# Allegro board DuoModule 01 Evaluation Board V1.1.brd (continued)
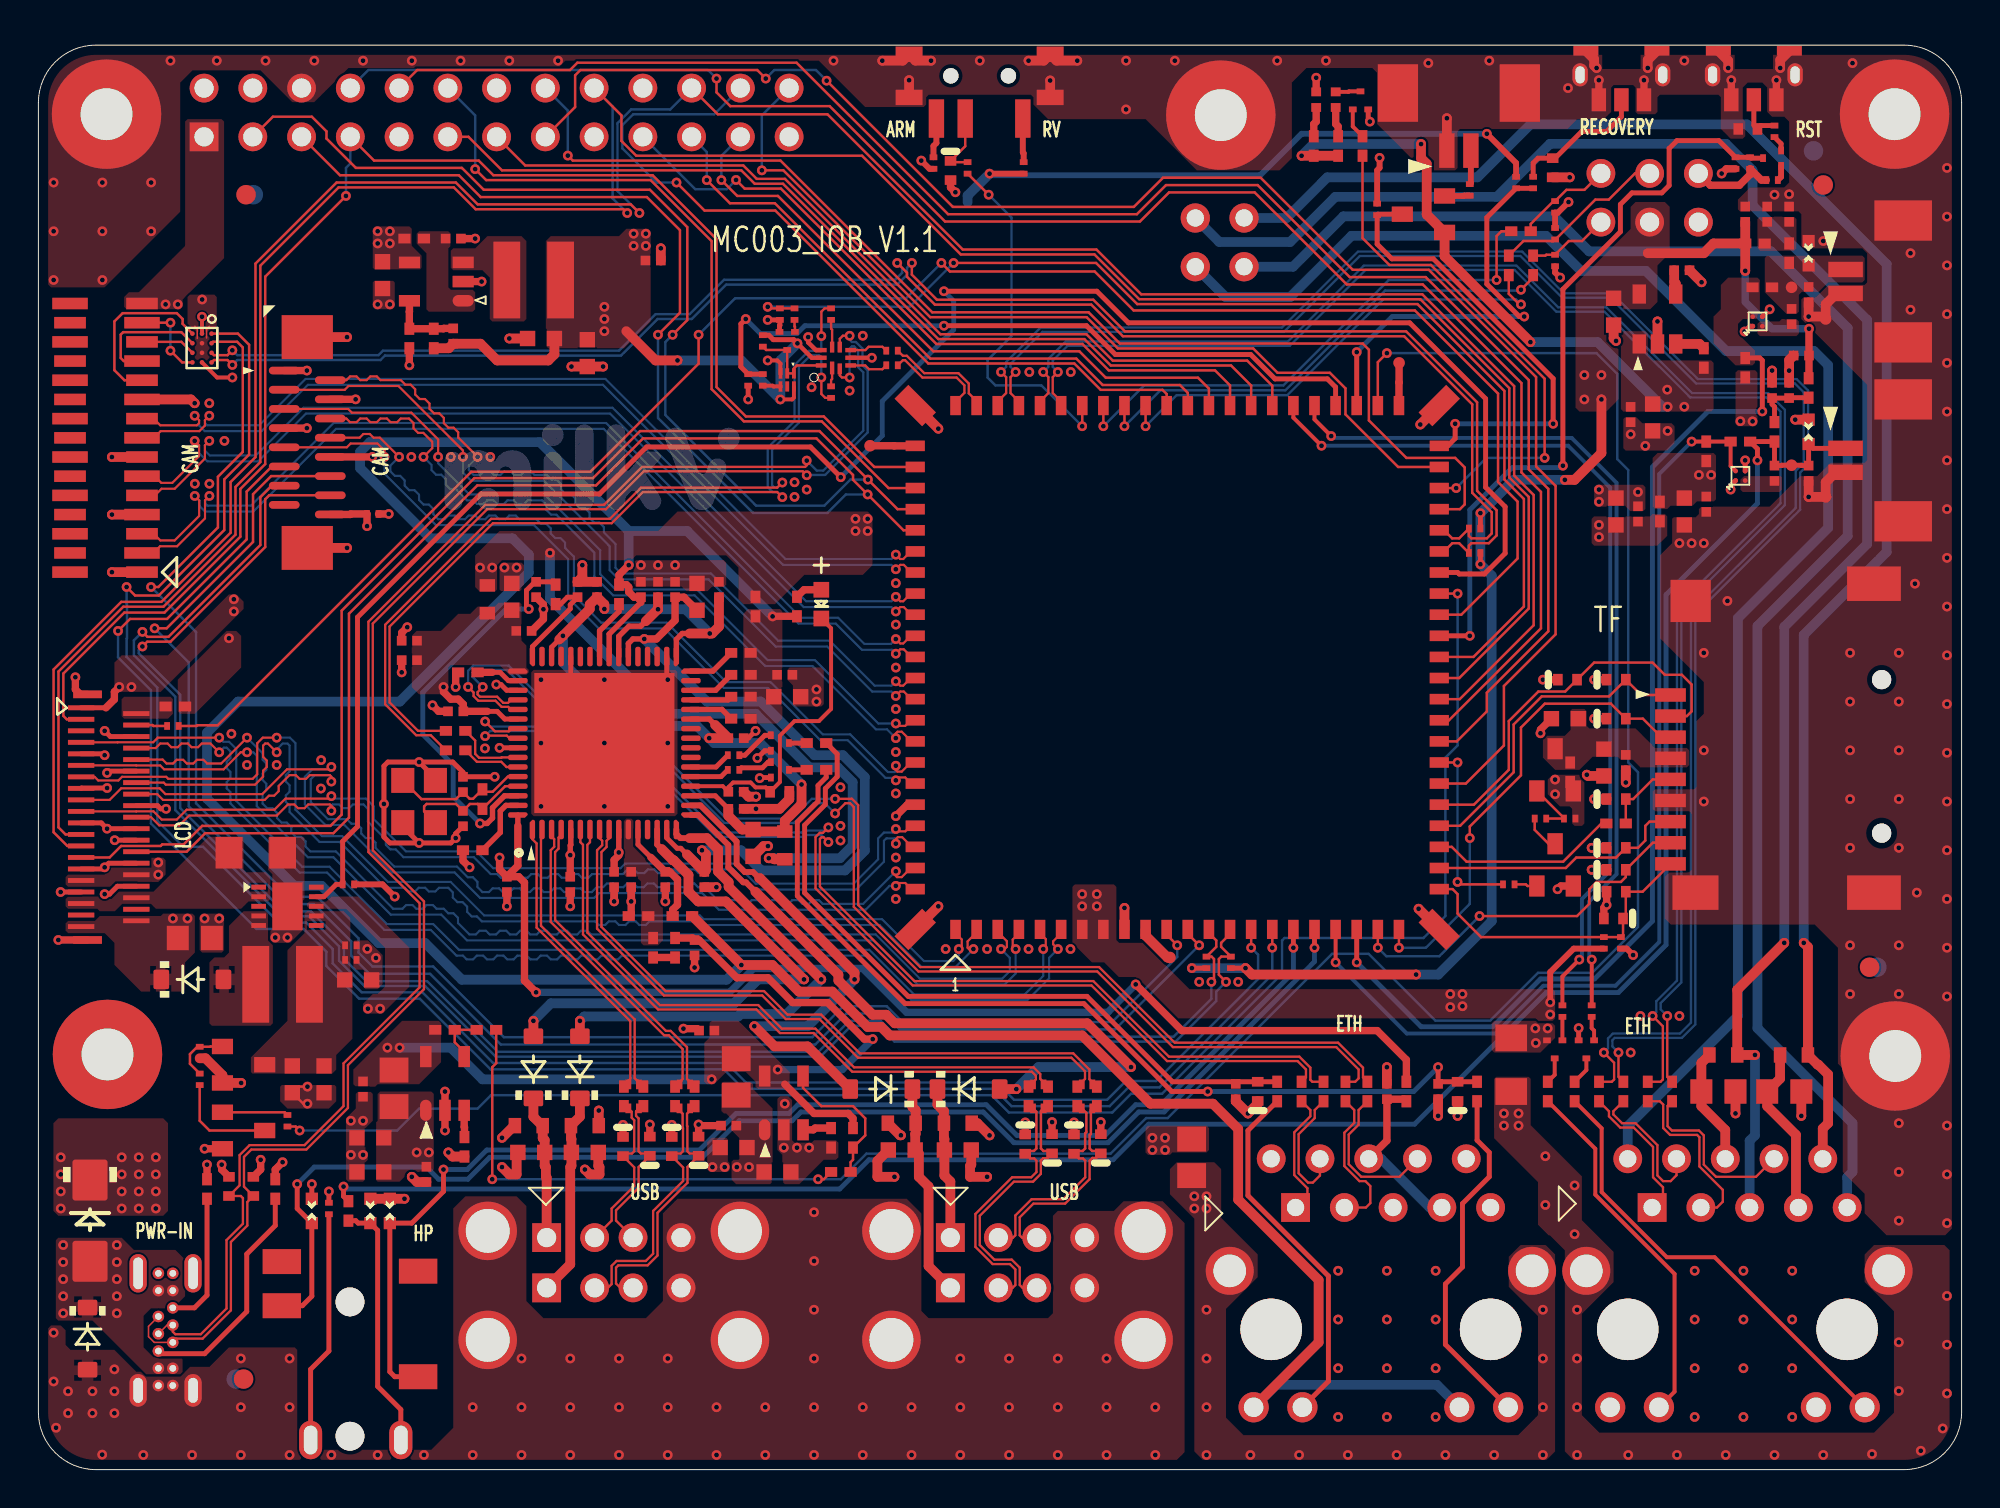
[diagram p0: board, top side]
## Routing (per net, layer and track width the routed paths; a pad name or vN(x,y) marks a point on that pad's centre or on a via; arc(x,y) is an arc through that point) (continued)
PHY_TXN: length 6.6
  TOP w0.119: JP1.2 66.77,15.33 66.4,14.96 66.14,14.96 65.66,15.45 65.66,17.48 66.49,18.32 66.49,18.74 R121.1
PHY_TXP: length 6.6
  TOP w0.119: JP1.1 66.11,14.28 66.11,14.66 65.43,15.35 65.43,17.58 66.27,18.41 66.27,18.74 R120.1
POWER2: length 7.6
  TOP w0.508: J4.1 26.48,15.22 26.44,15.26 26.44,15.77 26.38,15.83 C37.1 26.38,17.18 26.27,17.28 R46.2 26.25,17.93 25.79,18.39 D3.2
POWER3: length 10.6
  TOP w0.508: J4.5 27.71,10.7 27.71,15.77 27.77,15.83 C38.1 27.77,17.23 27.75,17.25 R47.2 28.21,18.39 D4.2
POWER4: length 8
  TOP w0.508: D5.2 46.84,19.03 47.18,18.69 R44.2 47.18,17.25 47.2,17.23 C36.1 47.2,15.32 47.51,15.02 J3.1
POWER5: length 11.2
  TOP w0.508: J3.5 46.38,10.6 46.38,14.75 45.87,15.26 45.87,16.47 C39.1 45.68,17.48 45.7,17.51 R45.2 45.7,18.73 45.53,18.9 D6.2
PRTCTL2: length 27.6
  TOP w0.305: U1.14 32.24,32.58 32.47,32.34
  TOP w0.508: v1(39.88,25.55) 35.82,29.61 34.38,29.61 33.87,30.12 33.87,30.99 33.1,31.76 33.06,31.76 32.47,32.34 ; D3.1 v1(25.79,23.39)
  BOTTOM w0.508: v1(39.88,25.55) 37.49,25.55 36.24,24.3 26.7,24.3 v1(25.79,23.39)
PRTCTL3: length 26
  TOP w0.305: 33.93,32.91 33.45,32.91 33.24,33.12 U1.16
  TOP w0.508: D4.1 v1(28.21,23.39) ; 33.93,32.91 34.83,32.91 35.41,32.33 35.41,31.17 35.96,30.62 35.96,30.37 v1(40.79,25.55)
  BOTTOM w0.508: v1(40.79,25.55) 38.98,23.74 36.58,23.74 36.46,23.62 28.44,23.62 v1(28.21,23.39)
PRTCTL4: length 36.5
  TOP w0.305: 37.35,30.12 36.86,30.6 36.72,30.6 35.94,31.39 35.94,32.55 34.38,34.12 U1.17
  TOP w0.508: 37.35,30.12 41.68,25.79 41.68,25.49 43.46,23.7 44.17,23.7 44.61,23.26 54.64,23.26 v1(56.92,20.98) ; D5.1 v1(50.95,19.83)
  BOTTOM w0.508: v1(56.92,20.98) 52.1,20.98 v1(50.95,19.83)
PRTCTL5: length 25.8
  TOP w0.305: 37.55,30.82 37.22,31.14 36.8,31.14 36.38,31.57 36.38,32.73 34.49,34.62 U1.18
  TOP w0.508: 37.55,30.82 37.6,30.82 42.52,25.89 v1(42.52,25.55) ; v1(37.3,23.11) 38.35,22.06 40.07,22.06 D6.1
  BOTTOM w0.508: v1(42.52,25.55) 40.08,23.11 v1(37.3,23.11)
PWM0_BUCK: length 2.2
  TOP w0.381: J6.45 70.88,56.65 70.89,56.66 TP27.1
PWR_VBAT_DET: length 39.1
  TOP w0.254: v1(79.42,52.32) 79.42,61.51 82.42,64.51 82.42,65.94 83.02,66.54 84.57,66.54 84.96,66.92 84.96,68.85 85.36,69.26 87.55,69.26 R4.2 R2.1 89.22,68.35 Q1.3 ; J6.35 v1(74.57,43.45)
  BOTTOM w0.254: v1(79.42,52.32) 79.32,52.22 76.77,52.22 74.57,50.01 v1(74.57,43.45)
RXN: length 9.3
  TOP w0.119: JP2.6 89.48,15.26 87.4,15.26 86.76,15.89 86.76,17.42 86.51,17.67 85.1,17.67 84.87,17.9 84.87,18.96 R105.1
RXN_18047105: length 64.2
  TOP w0.119: v1(41.51,34.96) 42.38,34.96 42.71,34.63 42.71,29.42 45.94,26.19 55.26,26.19 59.2,22.25 67.71,22.25 69.01,20.95 69.01,20.44 69.24,20.21 ; U1.53 24.61,39.62 24.48,39.75 24.13,39.75 23.81,40.07 22.92,40.07 22.67,40.31 22.67,40.5 v1(22.39,40.79)
  BOTTOM w0.119: v1(22.39,40.79) 22.39,41.63 22.66,41.9 24.5,41.9 27.52,38.88 30.88,38.88 35.84,33.93 39.26,33.93 40.29,34.96 v1(41.51,34.96)
RXP: length 9.3
  TOP w0.119: R104.1 84.48,19.2 84.65,19.03 84.65,17.8 85,17.44 86.41,17.44 86.53,17.32 86.53,15.8 87.75,14.58 87.75,13.96 87.45,13.66 JP2.3
RXP_18047105: length 64.2
  TOP w0.119: U1.52 24.62,40.12 24.47,39.96 24.22,39.96 23.9,40.28 23,40.28 22.88,40.4 22.88,40.52 v1(23.15,40.79) ; 68.09,20.21 68.6,20.21 68.78,20.39 68.78,20.85 67.61,22.02 59.11,22.02 55.16,25.96 45.85,25.96 42.48,29.33 42.48,34.54 42.29,34.73 42.04,34.73 v1(41.51,34.2)
  BOTTOM w0.119: v1(41.51,34.2) 40.97,34.73 40.39,34.73 39.36,33.7 35.74,33.7 30.79,38.65 27.43,38.65 24.41,41.68 22.75,41.68 22.62,41.54 22.62,41.32 v1(23.15,40.79)
SD_PWR_EN: length 9.6
  TOP w0.127: J6.29 v1(73.93,36.85) ; v1(73.93,30.63) 74.06,30.5 R63.1
  BOTTOM w0.127: v1(73.93,36.85) v1(73.93,30.63)
SD_SD0_CD: length 16.5
  TOP w0.127: J6.23 73.67,30.25 73.94,29.99 73.94,28.98 75.16,27.75 R65.2 R67.1 82.56,27.86 D15.2 82.7,28.86 ED6.1 83.58,30.12 CN14A1.9
SD_SD0_CLK: length 9.8
  TOP w0.127: J6.25 73.63,32.45 74.4,31.68 79.44,31.68 81.43,33.67 R64.1
SD_SD0_CMD: length 24.9
  TOP w0.127: CN14A1.3 84.55,38.17 83.59,39.14 ED10.1 81.92,39.92 78.48,39.92 77.24,38.67 77.24,36.18 74.57,33.52 v1(74.57,32.91) ; J6.22 v1(70.88,27.2)
  BOTTOM w0.127: v1(70.88,27.2) 72.28,27.2 74.57,29.48 v1(74.57,32.91)
SD_SD0_D0: length 13.5
  TOP w0.127: CN14A1.7 83.94,33.77 83.71,33.55 83.71,32.79 83.33,32.4 ED8.1 82.19,31.9 80.12,31.9 79.57,31.35 J6.24
SD_SD0_D1: length 19.5
  TOP w0.127: v1(75.08,28.85) 80.16,28.85 80.79,29.48 80.79,30.25 81.17,30.63 82.44,30.63 82.7,30.88 ED7.1 84.11,32.67 CN14A1.8 ; J6.21 v1(69.78,27.2)
  BOTTOM w0.127: v1(69.78,27.2) 70.23,26.75 72.98,26.75 v1(75.08,28.85)
SD_SD0_D2: length 17
  TOP w0.127: J6.26 74.07,33.55 76.86,36.34 76.86,38.83 78.32,40.3 81.83,40.3 ED12.1 83.5,40.37 CN14A1.1
SD_SD0_D3: length 20.8
  TOP w0.127: CN14A1.2 85.88,39.27 86.13,39.52 86.13,40.91 85.62,41.42 84.73,41.42 84.1,42.06 81.05,42.06 ED11.1 79.54,40.55 78.14,40.55 76.6,39.01 76.6,36.47 74.79,34.65 J6.27
SENSOR_CLK0: length 86
  TOP w0.127: v1(6.05,43.84) 6.68,43.84 11.18,48.34 11.18,50.83 12.12,51.78 J8.12 ; J6.12 59.88,27.92 v1(60.47,27.32)
  BOTTOM w0.127: v1(60.47,27.32) 56.09,22.94 44.86,22.94 44.04,23.77 42.09,23.77 40.48,22.16 24.09,22.16 20.41,25.84 17.24,25.84 16.3,26.78 16.3,27.53 14.36,29.47 12.93,29.47 7.83,34.57 7.83,42.07 v1(6.05,43.84)
SENSOR_CLK1: length 89.4
  TOP w0.127: J6.11 58.78,27.87 v1(59.33,27.32) ; U12.B3 9.1,58.78 10.35,58.78 10.65,58.48 10.65,53.04 9.35,51.74 9.35,49.1 6.25,46 v1(5.87,46)
  BOTTOM w0.127: v1(59.33,27.32) 59.33,26.72 55.93,23.32 45.02,23.32 44.19,24.15 41.93,24.15 40.32,22.54 24.25,22.54 20.56,26.22 17.4,26.22 16.68,26.94 16.68,27.69 14.52,29.85 13.09,29.85 8.21,34.73 8.21,43.65 v1(5.87,46)
SENSOR_CLK1_3V3: length 6.4
  TOP w0.127: U12.B1 7.45,59.28 4.42,59.28 4.29,59.15 4.29,57.93 4.45,57.77 J10.4
SENSOR_HS0: length 2.1
  TOP w0.508: J6.10 57.68,27.83 58.82,26.69 TP26.1
SENSOR_RSTN0: length 94.6
  TOP w0.127: J8.11 12.16,52.28 10.85,50.97 10.85,48.48 6.7,44.33 4.77,44.33 v1(4.15,43.71) ; J6.16 v1(64.28,27.2)
  BOTTOM w0.127: v1(64.28,27.2) 64.28,25.8 58.4,19.92 56.79,19.92 55.81,18.94 50.69,18.94 49.79,19.84 36.72,19.84 35.71,20.86 23.55,20.86 19.87,24.54 16.71,24.54 15,26.25 15,26.99 13.82,28.18 11.36,28.18 5.86,33.67 5.86,40.61 4.15,42.33 v1(4.15,43.71)
SENSOR_RSTN1: length 101.1
  TOP w0.127: v1(4.59,46) 5.04,45.55 6.27,45.55 9.68,48.96 9.68,51.6 10.98,52.9 10.98,58.62 10.39,59.2 U12.A3 ; J6.15 v1(63.18,27.2)
  BOTTOM w0.127: v1(4.59,46) 4.59,45.13 4.61,45.1 4.61,43.32 4.59,43.3 4.59,42.35 6.19,40.75 6.19,33.81 7.55,32.45 8.58,32.45 12.53,28.51 13.96,28.51 15.33,27.13 15.33,26.38 16.84,24.87 20.01,24.87 23.69,21.19 35.85,21.19 36.86,20.17 49.93,20.17 50.83,19.27 55.68,19.27 56.65,20.25 58.23,20.25 63.54,25.57 63.54,26.84 v1(63.18,27.2)
SENSOR_RSTN_3V3: length 9
  TOP w0.127: J10.5 4.48,56.77 3.96,57.3 3.96,59.84 4.39,60.27 7.21,60.27 7.51,59.96 7.51,59.71 U12.A1
TXN: length 7.5
  TOP w0.119: JP2.2 85.34,15.34 85.03,15.03 84.64,15.03 84.35,15.33 84.35,16.91 83.2,18.05 82.5,18.05 82.05,18.51 82.05,18.68 R107.1
TXN_18047105: length 56.1
  TOP w0.119: U1.56 24.54,38.12 24.4,38.25 23.3,38.25 v1(23.27,38.23) ; 66.95,20.21 66.37,20.21 66.27,20.31 66.27,20.95 65.69,21.52 58.9,21.52 54.96,25.46 45.64,25.46 40.72,30.39 40.72,32.87 40.8,32.95 40.91,32.95 v1(41.16,32.7)
  BOTTOM w0.119: v1(41.16,32.7) 40.79,33.07 39.97,33.07 39.87,32.97 35.33,32.97 31.8,36.49 28.25,36.49 26.25,38.49 23.54,38.49 v1(23.27,38.23)
TXP: length 7.6
  TOP w0.119: JP2.1 84.64,14.23 84.64,14.72 84.12,15.23 84.12,16.82 83.11,17.82 82.41,17.82 81.82,18.41 81.82,18.68 R106.1
TXP_18047105: length 56.1
  TOP w0.119: 65.81,20.21 66.04,20.44 66.04,20.85 65.6,21.29 58.8,21.29 54.86,25.23 45.55,25.23 40.49,30.29 40.49,32.96 40.7,33.18 40.87,33.18 v1(41.16,33.47) ; v1(23.27,38.99) 23.79,38.48 24.51,38.48 24.65,38.62 U1.55
  BOTTOM w0.119: v1(41.16,33.47) 40.99,33.3 39.88,33.3 39.78,33.2 35.42,33.2 31.9,36.72 28.34,36.72 26.34,38.72 23.54,38.72 v1(23.27,38.99)
UART0_RX: length 89.6
  TOP w0.127: J7.10 19.73,72.94 27.7,72.94 28.08,73.32 39.5,73.32 47.39,65.42 57.23,65.42 58.75,66.94 63.52,66.94 68.32,62.15 72.28,62.15 77.64,56.78 77.64,52.13 78.66,51.11 78.66,43.69 75.46,40.49 75.46,39.52 73.9,37.95 J6.30
UART0_TX: length 90.3
  TOP w0.127: v1(35.33,72.49) 35.33,71.77 36.05,71.06 41.22,71.06 47.24,65.04 57.39,65.04 58.9,66.56 63.36,66.56 68.16,61.77 72.12,61.77 77.26,56.62 77.26,51.97 78.28,50.95 78.28,43.85 73.49,39.05 J6.31
  BOTTOM w0.127: v1(35.33,72.49) 34.88,72.94 17.19,72.94 J7.8
UPDATE: length 21.4
  TOP w0.254: J6.47 v1(68.68,58.24) ; R7.1 R5.1 75.46,65.25 75.46,61.79 77.15,60.09 v1(77.41,60.09)
  BOTTOM w0.254: v1(77.41,60.09) 70.53,60.09 v1(68.68,58.24)
USB_DM: length 5.7
  TOP w0.119: R25.2 45.04,58.05 45.25,58.05 46.15,57.14 47.93,57.14 48.47,56.6 48.47,56.09 48.88,55.68 J6.65
USB_DP: length 5.4
  TOP w0.119: J6.66 47.78,55.65 48.24,56.11 48.24,56.51 47.83,56.91 46.06,56.91 45.15,57.82 45.04,57.82 R23.2
USB_HOST2_DM: length 15.7
  TOP w0.119: U1.1 25.74,32.85 25.96,32.63 25.96,28.25 30.84,23.37 30.84,20.37 30.73,20.27 FB10.1 30.62,19.96 R51.2
USB_HOST2_DP: length 15.7
  TOP w0.119: R58.2 31.4,19.96 FB10.3 31.29,20.19 31.2,20.27 31.18,20.27 31.07,20.39 31.07,23.46 26.18,28.34 26.18,32.91 26.24,32.96 U1.2
USB_HOST3_DM: length 16.8
  TOP w0.119: R52.2 33.28,19.96 FB11.1 33.4,20.19 33.56,20.35 33.56,21.92 32.85,22.63 32.6,22.63 26.69,28.54 26.69,32.28 26.87,32.46 26.87,32.86 26.74,33 U1.3
USB_HOST3_DP: length 16.8
  TOP w0.119: R59.2 34.07,19.96 FB11.3 33.95,20.19 33.79,20.35 33.79,22.01 32.94,22.86 32.69,22.86 26.92,28.64 26.92,32.18 27.1,32.36 27.1,32.94 27.24,33.08 U1.4
USB_HOST4_DM: length 33
  TOP w0.119: R50.2 51.7,19.96 FB9.1 51.82,20.19 51.96,20.34 51.96,20.52 51.75,20.74 42.4,20.74 40.38,22.75 38.64,22.75 37.41,23.98 32.28,23.98 28.37,27.89 28.37,32.56 28.24,32.7 U1.6
USB_HOST4_DP: length 33
  TOP w0.119: U1.7 28.74,32.7 28.6,32.56 28.6,27.99 32.38,24.21 37.5,24.21 38.73,22.98 40.48,22.98 42.49,20.96 51.85,20.96 52.19,20.62 52.19,20.36 52.37,20.19 FB9.3 52.48,19.96 R57.2
USB_HOST5_DM: length 34.9
  TOP w0.119: U1.8 29.24,32.91 29.37,32.77 29.37,32.54 29.1,32.28 29.1,28.19 32.59,24.71 37.71,24.71 38.94,23.48 40.69,23.48 42.7,21.47 53.82,21.47 54.53,20.76 54.53,20.36 54.36,20.19 FB8.1 54.24,19.96 R53.2
USB_HOST5_DP: length 34.9
  TOP w0.119: R56.2 55.02,19.96 FB8.3 54.91,20.19 54.75,20.34 54.75,20.85 53.91,21.69 42.8,21.69 40.78,23.71 39.03,23.71 37.8,24.94 32.68,24.94 29.33,28.28 29.33,32.18 29.6,32.45 29.6,32.77 29.74,32.91 U1.9
USB_SW: length 4.7
  TOP w0.127: U2.10 39.51,57.54 39.36,57.39 U3.1 U3.2 Q3.3 37.91,58.35 R30.1
USBDEV_DM: length 86.1
  TOP w0.076: J12.A7 5.74,7.47 5.74,6.93 6.03,6.63 J12.B7
  TOP w0.119: U2.6 41.75,58.93 41.91,59.09 v1(42.26,59.09) ; J12.B7 7.2,6.83 8.55,6.83 10.03,8.3 10.03,11.86 10.88,12.72 10.88,13.95 D20.2 10.71,14.75 10.71,16.3 11.1,16.68 13.96,16.68 16.13,18.85 16.13,21.08 20.09,25.04 20.09,29.61 17.42,32.28 17.42,44.09 23.38,50.05 29.57,50.05 31.54,52.03 39.82,52.03 v1(40.03,51.82)
  BOTTOM w0.119: v1(40.03,51.82) 40.04,51.84 40.99,51.84 43.2,54.05 43.2,57.28 42.93,57.55 42.93,58.42 42.59,58.77 42.38,58.77 42.26,58.88 v1(42.26,59.09)
USBDEV_DP: length 86.1
  TOP w0.076: J12.A6 6.7,7.53 J12.B6
  TOP w0.119: v1(40.03,52.58) 40.03,52.34 39.94,52.26 31.45,52.26 29.47,50.28 23.29,50.28 17.19,44.19 17.19,32.18 19.86,29.52 19.86,25.13 15.9,21.17 15.9,18.94 13.86,16.91 11,16.91 10.48,16.39 10.48,14.81 D19.2 10.55,14.26 10.66,14.15 10.66,12.81 9.8,11.96 9.8,8.4 8.46,7.06 7.13,7.06 7,7.19 J12.B6 ; v1(42.26,56.92) 41.86,56.92 41.75,57.03 U2.2
  BOTTOM w0.119: v1(40.03,52.58) 40.55,52.06 40.89,52.06 42.97,54.15 42.97,57.19 42.7,57.46 42.7,58.33 42.49,58.54 42.38,58.54 42.26,58.42 v1(42.26,56.92)
USBHOST_DM: length 43.2
  TOP w0.119: R15.1 19.78,38.5 18.29,39.98 18.29,43.93 23.68,49.32 29.87,49.32 31.49,50.95 38.49,50.95 v1(38.76,50.68) ; R24.1 40.96,60.52 40.79,60.34 v1(40.79,59.07)
  BOTTOM w0.119: v1(40.79,59.07) 40.79,58.42 40.67,58.3 40.14,58.3 39.39,57.56 39.39,54.65 37.99,53.25 37.99,51.2 38.25,50.95 38.49,50.95 v1(38.76,50.68)
USBHOST_DP: length 43.5
  TOP w0.119: R22.1 40.99,55.85 40.79,56.06 v1(40.79,56.92) ; v1(38.76,51.44) 38.49,51.18 31.4,51.18 29.77,49.55 23.59,49.55 18.07,44.03 18.07,39.89 19.68,38.27 20.44,38.27 R14.1
  BOTTOM w0.119: v1(40.79,56.92) 40.79,57.95 40.67,58.07 40.23,58.07 39.62,57.46 39.62,54.56 38.22,53.16 38.22,51.3 38.34,51.18 38.49,51.18 v1(38.76,51.44)
VA+: length 83.4
  BOTTOM w0.508: J2.2 61.85,61.11 65.22,61.11 68.41,64.3 78.54,64.3 80.37,62.47 83.75,62.47 87.92,58.29 92.5,58.29 93.24,57.56 93.24,49.08 88.54,44.38 88.54,23.64 82.8,17.9 JP2.9
VA-: length 84.9
  BOTTOM w0.508: JP2.10 94.23,15.23 94.51,15.51 94.51,18.05 89.56,23.01 89.56,43.96 94.26,48.66 94.26,59.5 90.26,63.49 80.79,63.49 78.96,65.31 67.99,65.31 65.36,62.69 J2.1
VB+: length 87.6
  TOP w0.508: v1(91.97,27.45) 92.19,27.23 R102.1 92.69,21.1 92.73,21.1 93.24,20.59 93.24,18.05 92.96,17.77 JP2.8
  BOTTOM w0.508: v1(91.97,27.45) 91.97,43.5 96.29,47.82 96.29,62.82 89.01,70.1 77.73,70.1 74.97,67.35 67.14,67.35 65.03,65.23 J2.3
VB-: length 92.6
  TOP w0.508: v1(89.43,21.61) R103.1 88.5,25 v1(90.95,27.45)
  BOTTOM w0.508: v1(90.95,27.45) 90.95,43.92 95.27,48.24 95.27,59.92 89.3,65.89 89.3,67.71 87.92,69.09 78.74,69.09 75.98,66.33 67.57,66.33 65.21,63.98 61.52,63.98 J2.4 ; v1(89.43,21.61) 89.43,17.42 89.15,17.14 JP2.5
VSYS: length 42.8
  TOP w0.381: v1(43.47,22.44) 43.03,22.44 41.12,24.34 39.29,24.34 38,25.63 36.39,25.63 34.42,27.6 C9.1 34.08,27.71 FB4.2 ; R82.1 42.44,18.31 42.19,18.56 40.41,18.56 38.88,20.09
  TOP w0.508: R72.1 8.7,21.44 9.59,20.55 Q9.2 v1(10.56,20.15)
  BOTTOM w0.381: v1(43.47,22.44) 41.88,20.85 v1(38.52,20.85)
  BOTTOM w0.508: v1(35.07,20.34) 23.14,20.34 21.48,21.99 v1(18.82,21.99)
  vias: v1(1.16,16.28) v1(1.16,15.39) v1(1.16,14.5) v1(1.16,13.61) v1(4.34,16.28) v1(4.34,15.39) v1(4.34,14.5) v1(4.34,13.61) v1(5.23,16.28) v1(5.23,15.39) v1(5.23,14.5) v1(5.23,13.61) v1(6.12,16.28) v1(6.12,15.39) v1(6.12,14.5) v1(6.12,13.61) v1(17.67,64.54) v1(17.67,63.9) v1(18.18,21.99) v1(18.31,64.54) v1(18.31,63.9)
XGPIOA_18: length 137.8
  TOP w0.127: J7.22 35.4,70.63 41.11,70.63 48.16,63.58 55.12,63.58 57.46,61.25 72.1,61.25 76.88,56.46 76.88,51.81 77.9,50.79 77.9,44 74.05,40.15 J6.32 ; v1(31.31,65.49) 30.86,65.94 22.89,65.94 21.75,67.08 15.54,67.08 11.31,62.85 11.31,52.76 10.01,51.47 10.01,48.83 6.41,45.22 4.32,45.22 0.79,41.7 0.79,33.22 1.51,32.5 U5.25
  BOTTOM w0.127: J7.22 32.92,70.89 30.88,70.89 30.17,70.17 30.17,66.63 v1(31.31,65.49)
XGPIOA_19: length 137.8
  TOP w0.127: v1(30.68,65.49) 30.48,65.68 22.78,65.68 21.64,66.82 15.64,66.82 11.56,62.74 11.56,52.51 10.27,51.21 10.27,48.72 6.51,44.97 4.42,44.97 1.05,41.59 1.05,33.47 1.41,33.1 U5.23 ; J7.18 30.37,70.57 30.37,69.24 31.14,68.47 42.91,68.47 48.05,63.33 55.02,63.33 57.35,60.99 71.99,60.99 76.63,56.36 76.63,51.7 77.64,50.69 77.64,44.88 74.02,41.25 J6.33
  BOTTOM w0.127: v1(30.68,65.49) 29.91,66.25 29.91,71.03 J7.18
XGPIOA_20: length 63
  TOP w0.127: J6.41 74.06,50.05 74.31,50.3 74.31,52.23 73.81,52.72 71.27,52.72 69.32,54.68 69.32,58.36 68.99,58.68 56.34,58.68 54.71,60.31 46.57,60.31 38.66,68.22 27.84,68.22 v1(27.58,68.48)
  BOTTOM w0.127: J7.16 27.58,70.83 v1(27.58,68.48)
XGPIOA_28: length 47.4
  TOP w0.127: J6.43 70.84,52.25 68.09,55 68.09,56.35 67.28,57.16 64.56,57.16 63.29,58.43 56.24,58.43 54.61,60.06 46.46,60.06 38.81,67.71 v1(37.69,67.71)
  BOTTOM w0.127: J7.26 37.69,70.58 v1(37.69,67.71)
XGPIOA_29: length 27.1
  TOP w0.127: v1(78.47,52.72) 78.47,52.73 78.47,56.85 72.54,62.78 70.38,62.78 68.98,64.18 R12.1 ; v1(73.86,51.15) J6.42
  BOTTOM w0.127: v1(73.86,51.15) 75.43,52.72 v1(78.47,52.72)
XGPIOA_30: length 60.7
  TOP w0.127: R32.2 R34.2 38.08,60.52 v1(37.99,60.6) ; v1(47.68,62.88) 55.1,62.88 57.25,60.74 71.85,60.74 76.37,56.21 76.37,51.6 77.39,50.58 77.39,44.98 74.76,42.35 J6.34
  BOTTOM w0.127: v1(47.68,62.88) 45.39,60.6 v1(37.99,60.6)
XGPIOB_11: length 48.3
  TOP w0.127: J6.52 63.18,56.49 62.14,57.54 55.87,57.54 54.49,58.92 46.89,58.92 38.79,67.01 37.32,67.01 36.62,67.71 24.15,67.71 22.41,69.46 J7.11
XGPIOB_12: length 46.8
  TOP w0.127: J6.51 64.28,56.49 62.97,57.79 55.97,57.79 54.6,59.17 46.99,59.17 38.89,67.27 37.42,67.27 36.72,67.96 25.36,67.96 J7.13
XGPIOB_13/SPI3_SDO: length 37.4
  TOP w0.127: J6.53 62.08,56.5 61.3,57.29 55.76,57.29 54.39,58.66 46.78,58.66 38.68,66.76 36.79,66.76 v1(36.34,67.21)
  BOTTOM w0.127: J7.19 34.22,66.73 35.86,66.73 v1(36.34,67.21)
XGPIOB_14/SPI3_SDI: length 32.9
  TOP w0.127: v1(34.82,67.2) 36.03,66 38.37,66 46.47,57.9 54.07,57.9 55.45,56.52 59.47,56.52 59.88,56.11 J6.55
  BOTTOM w0.127: v1(34.82,67.2) 34.82,68.67 J7.21
XGPIOB_15/SPI3_SCK: length 33.4
  TOP w0.127: v1(35.58,67.2) 36.41,66.38 38.53,66.38 46.62,58.28 54.23,58.28 55.61,56.91 60.41,56.91 60.98,56.33 J6.54
  BOTTOM w0.127: J7.23 35.58,68.47 v1(35.58,67.2)
XGPIOB_16/SPI3_CS: length 42.4
  TOP w0.127: v1(33.24,67.08) 34.7,65.61 38.39,65.61 46.36,57.65 53.97,57.65 55.34,56.27 58.56,56.27 58.78,56.05 J6.56
  BOTTOM w0.127: J7.24 35.2,70.63 30.99,70.63 30.42,70.07 30.42,68.85 32.2,67.08 v1(33.24,67.08)
XGPIOB_17/I2C1_SDA: length 2.4
  TOP w0.381: 45.68,53.35 44.59,53.35 44.58,53.36 TP28.1
XGPIOB_18/I2C1_SCL: length 79.7
  TOP w0.127: v1(16.02,66.38) 11.82,62.17 11.82,52.4 10.52,51.11 10.52,48.62 6.57,44.66 4.48,44.66 1.3,41.49 1.3,39.28 1.48,39.1 U5.3 ; J6.68 43.55,52.25 40.92,54.88 36.86,54.88 35.33,56.41 35.33,64.13 32,67.46 23.7,67.46 22.94,68.22 17.49,68.22 J7.7
  BOTTOM w0.127: J7.7 16.25,68.06 16.02,67.84 v1(16.02,66.38)
XGPIOB_19: length 39.1
  TOP w0.127: J6.69 44.29,51.15 40.81,54.63 36.75,54.63 35.07,56.31 35.07,64.02 31.89,67.2 23.33,67.2 v1(22.75,67.77)
  BOTTOM w0.127: v1(22.75,67.77) 22.75,70.57 J7.12
XGPIOB_20/I2C4_SCL: length 109.6
  TOP w0.127: v1(33.04,59.14) 33.8,59.9 33.8,64.75 31.86,66.7 23.2,66.7 22.06,67.84 16.54,67.84 15.01,69.37 15.01,69.74 14.25,70.5 12.22,70.5 J7.3 ; J6.70 44.76,50.05 v1(43.22,51.6) 43.22,51.6 40.69,54.12 31.34,54.12 28.89,51.67 22.71,51.67 15.8,44.76 15.8,34.14 15.21,33.55 8.53,33.55 7.57,32.58 6.45,32.58 6.37,32.5 4.31,32.5 3.71,31.9 U5.27
  BOTTOM w0.127: v1(43.22,51.6) 42.3,51.6 40.94,50.24 37.39,50.24 32.66,54.96 32.66,58.76 v1(33.04,59.14)
XGPIOB_21/I2C4_SDA: length 103.2
  TOP w0.127: J6.71 45.07,48.95 v1(43.2,50.82) 42.44,51.58 42.44,51.84 40.53,53.74 31.5,53.74 29.05,51.29 22.87,51.29 16.18,44.61 16.18,33.98 15.37,33.17 8.69,33.17 7.72,32.2 U5.26 ; J7.5 15.71,67.46 21.91,67.46 23.04,66.32 31.7,66.32 33.42,64.59 33.42,60.29 v1(32.28,59.14)
  BOTTOM w0.127: v1(32.28,59.14) 32.28,54.81 37.23,49.85 41.1,49.85 42.07,50.82 v1(43.2,50.82)
XGPIOB_22: length 87.2
  TOP w0.127: J7.15 27.96,71.01 27.96,72.66 28.24,72.94 37.45,72.94 v1(37.89,72.49) ; J6.28 74.36,35.75 76.35,37.74 76.35,40.84 79.04,43.53 79.04,51.27 78.03,52.28 78.03,56.94 72.44,62.53 68.47,62.53 63.68,67.32 58.59,67.32 57.07,65.81 47.64,65.81 v1(41.06,72.38)
  BOTTOM w0.127: v1(41.06,72.38) 40.51,72.94 38.34,72.94 v1(37.89,72.49)
XTALIN: length 6.9
  TOP w0.127: U1.61 24.31,35.62 R36.2 22.88,34.69 22.48,34.69 C28.1 21.76,34.69 20.22,34.69 20.1,34.56 20.1,34.3 20.68,33.72 Y1.3
XTALOUT: length 7.3
  TOP w0.127: U1.60 24.46,36.12 23.67,35.33 23.26,35.33 R36.1 22.64,34.96 22.47,34.96 C27.1 21.76,34.94 19.96,34.94 Y1.1
YEL_C: length 19
  TOP w0.203: JP2.12 85.24,4.06 85.24,10.2 81.11,14.33 81.11,16.72 R108.1
YEL_C_18395513: length 37.5
  TOP w0.254: R48.1 41.61,37.29 41.61,36.11 41,35.49 41,34.67 39.92,33.59 39.92,30.06 45.31,24.66 54.63,24.66 59.08,20.21 62.27,20.21 C29.1 62.49,20.21 64.54,20.21
N18013857: length 3.8
  TOP w0.381: C58.2 21.12,59.47 21.1,59.46 R84.2 R87.1 19.33,60.34 19.33,60.35 U9.5
N18057742: length 3.5
  TOP w0.279: R13.1 24.06,33.21 24.06,34.32 24.36,34.62 U1.63
N18061020: length 3.1
  TOP w0.119: U1.59 24.39,36.62 24.11,36.89 22.84,36.89 R14.2
N18061046: length 3.7
  TOP w0.119: R15.2 22.75,37.99 22.75,37.3 22.96,37.1 24.11,37.1 24.13,37.12 U1.58
N18073861: length 2.3
  TOP w0.254: 23.64,41.55 24.05,41.55 24.49,41.12 U1.50
  TOP w0.381: R19.1 23.64,41.55
N18074230: length 3.2
  TOP w0.279: U1.41 29.24,43.71 30.25,44.72 R20.1
N18074692: length 5.6
  TOP w0.254: 31.91,31.91 31.24,32.58 U1.12
  TOP w0.381: R21.2 33.04,29.18 33.3,29.43 33.3,30.75 32.9,31.15 C26.1 31.91,31.91
N18075467: length 2.2
  TOP w0.279: R27.1 35.93,40.12 U1.29
N18075468: length 2.3
  TOP w0.279: R26.1 35.61,39.62 U1.28
N18075469: length 2.5
  TOP w0.279: R29.1 35.14,41.62 U1.32
N18075470: length 2.4
  TOP w0.279: R28.1 35.28,40.62 U1.30
N18080425: length 1.4
  TOP w0.381: LED2.1 39.89,45.85 R18.2
N18128626: length 2.7
  TOP w0.127: U7.4 22.18,21.78 21.69,22.27 R76.2 R77.1
N18128982: length 1.4
  TOP w0.381: R78.1 22.2,17.85 22.18,17.86 U7.3
N18343094: length 3.2
  TOP w0.254: R90.1 91.23,55.86 C69.1 C67.1 90.32,55.52 90.45,55.39 R91.2
N18344347: length 3.4
  TOP w0.127: R74.2 12.83,18.62 Q10.1
N18344351: length 3.1
  TOP w0.127: Q9.1 8.97,22.05 8.96,22.04 R72.2 8.28,22.04 7.9,21.66 7.9,21.15 R73.1
N18344363: length 5.5
  TOP w0.127: Q10.3 8.91,17.67 8.4,18.18 R73.2
N18346013: length 14.6
  TOP w0.119: D8.1 51.66,16.22 51.88,16.22 52,16.1 52,15.51 51.72,15.23 50.73,15.23 48.82,13.32 48.82,11.61 49.71,10.71 50.61,10.71 50.9,10.43 50.9,9.62 50.75,9.47 J3.6
  TOP w0.127: D8.1 51.41,16.48 51.54,16.61 51.87,16.61 51.99,16.73 51.99,18.65 FB9.2 51.7,18.94 51.58,18.94
N18346061: length 14.6
  TOP w0.119: D12.2 52.81,16.46 52.57,16.23 52.34,16.23 52.22,16.11 52.22,15.41 51.82,15.01 50.82,15.01 49.04,13.23 49.04,11.7 49.81,10.94 50.71,10.94 51.12,10.53 51.12,9.62 51.28,9.47 J3.7
  TOP w0.127: D12.2 52.68,16.61 52.36,16.61 52.23,16.73 52.23,18.69 FB9.4 52.48,18.94 52.6,18.94
N18346099: length 11.2
  TOP w0.119: D11.2 55.11,16.24 54.91,16.24 54.76,16.1 54.76,15.14 53.49,13.86 51.84,13.86 51.12,13.15 51.12,12.21 51.24,12.09 J3.3
  TOP w0.127: 55.14,18.94 55.02,18.94 FB8.4 54.83,18.75 54.83,17.49 54.77,17.43 54.77,16.73 54.9,16.61 55.22,16.61 D11.2
N18346185: length 11.2
  TOP w0.119: D7.1 54.2,16.22 54.42,16.22 54.54,16.1 54.54,15.23 53.39,14.09 51.74,14.09 50.9,13.24 50.9,12.21 50.78,12.09 J3.2
  TOP w0.127: D7.1 53.95,16.48 54.08,16.61 54.41,16.61 54.53,16.73 54.53,17.53 54.6,17.59 54.6,18.59 FB8.2 54.24,18.94 54.12,18.94
N18347946: length 0.6
  TOP w0.127: R32.1 39.39,59.58 39.41,59.56 Q3.1
N18356925: length 1.6
  TOP w0.127: R70.2 5.99,38.75 5.94,38.8 U5.4
N18387877: length 7.6
  TOP w0.127: R85.1 42.31,16.02 42.44,16.15 R82.2 43.07,17.42 43.07,18.31 42.44,18.94 40.79,18.94 39.84,19.9 U8.4
N18388029: length 1.5
  TOP w0.381: U8.3 40.37,17.71 40.46,17.8 R86.1
N18395425: length 9.4
  TOP w0.381: R42.1 71.16,19.3 C35.1 70.25,17.15 JP1.4
  BOTTOM w0.508: JP1.7 72.49,13.66 69.95,16.2 JP1.4
N18395443:
  vias: v1(60.22,14.24) v1(60.22,13.61) v1(60.85,14.24) v1(60.85,13.61) v1(60.85,8.33) v1(60.85,5.79) v1(60.85,3.25) v1(60.85,0.76) v1(63.14,0.76) v1(65.68,0.76) v1(68.22,0.76) v1(70.76,0.76) v1(73.3,0.76) v1(75.84,0.76) v1(78.38,8.33) v1(78.38,5.79) v1(78.38,3.25) v1(78.38,0.76)
N18395612: length 18.9
  TOP w0.254: R40.2 63.01,17.67 63.01,14.28 67.2,10.09 67.2,4.6 JP1.12
N18395615: length 18.5
  TOP w0.254: JP1.14 73.3,6.52 73.3,9.67 74.19,10.56 74.19,13.86 75.59,15.26 75.59,16.53 74.95,17.16 R41.2
N18440661: length 7.1
  TOP w0.254: J12.B5 8.13,8.43 8.78,9.09 R79.2
N18451564: length 12.1
  TOP w0.254: R80.2 12.34,12.72 10.85,11.23 10.85,8.24 8.66,6.04 6.39,6.04 J12.A5
N18462918: length 1.8
  TOP w0.305: J90.2 74.63,67.05 R122.1
N18508724: length 1.3
  TOP w0.508: U14.4 85.3,61.81 85.22,61.89 C64.1
N18509076: length 1.6
  TOP w0.508: R123.2 86.54,58.66 U14.3
N18561706: length 0.8
  TOP w0.254: Q1.2 90.79,69.1 R3.1
N18561768: length 2.6
  TOP w0.254: R3.2 89.73,70.04 DB1.1 89.37,70.06 K1.2
N18561861: length 2.3
  TOP w0.305: J1.1 51.29,68.64 51.33,68.6 R8.1
N18561863: length 3.4
  TOP w0.127: R9.2 47.58,68.14 D1.2 48.29,68.97 J1.2
N18561929: length 7.2
  TOP w0.254: K2.2 82.47,70.5 81.71,69.74 80.41,69.74 79.02,68.35 DB2.1 78.13,68.35 77.87,68.09 R7.2
N18564889: length 1.6
  TOP w0.203: R12.2 68.47,70 Q2.1
N18564903: length 1.6
  TOP w0.381: D2.1 67.59,70.12 67.71,70 R11.1
N18568131: length 1.3
  TOP w0.203: Q2.3 68.27,71.83 68.25,71.8 D2.2
N18580640: length 13.6
  TOP w0.119: 33.17,18.94 33.28,18.94 FB11.2 33.4,18.71 33.56,18.55 33.56,17.82 33.58,17.8 33.58,16.59 33.46,16.47 33.12,16.47 33,16.35 D10.1 33.59,15.75 33.59,15.04 32.03,13.48 32.03,11.25 31.64,10.87 30.12,10.87 29.86,10.62 29.86,9.67 29.67,9.47 J4.6
N18580688: length 13.6
  TOP w0.119: J4.7 30.32,9.47 30.09,9.7 30.09,10.53 30.21,10.65 31.74,10.65 32.25,11.16 32.25,13.39 33.82,14.95 33.82,15.78 D14.2 34.27,16.47 33.93,16.47 33.81,16.59 33.81,17.89 33.79,17.91 33.79,18.55 33.95,18.71 FB11.4 34.07,18.94 34.18,18.94
N18580772: length 8.7
  TOP w0.119: J4.3 30.09,12.98 30.09,13.51 31.27,14.69 31.27,15.77 D13.2 31.73,16.47 31.39,16.47 31.27,16.59 31.27,18.3 31.14,18.43 31.14,18.68 FB10.4 31.4,18.94 31.52,18.94
N18580790: length 8.7
  TOP w0.119: J4.2 29.86,12.98 29.86,13.61 31.04,14.78 31.04,15.75 D9.1 30.46,16.35 30.58,16.47 30.92,16.47 31.04,16.59 31.04,18.21 30.91,18.34 30.91,18.65 FB10.2 30.62,18.94 30.5,18.94
